# Altium PCB ControlBoardV1old.PcbDoc
Units mil, origin at the board's own origin, x right, y up, seen from the top; angles counter-clockwise.
Board outline 3937.01 x 1929.14 mil, 2 copper layers (Top Layer, Bottom Layer); 55 components, 45 nets, 232 pads, 46 vias.
Unrouted connection lines stored in the file: 1.
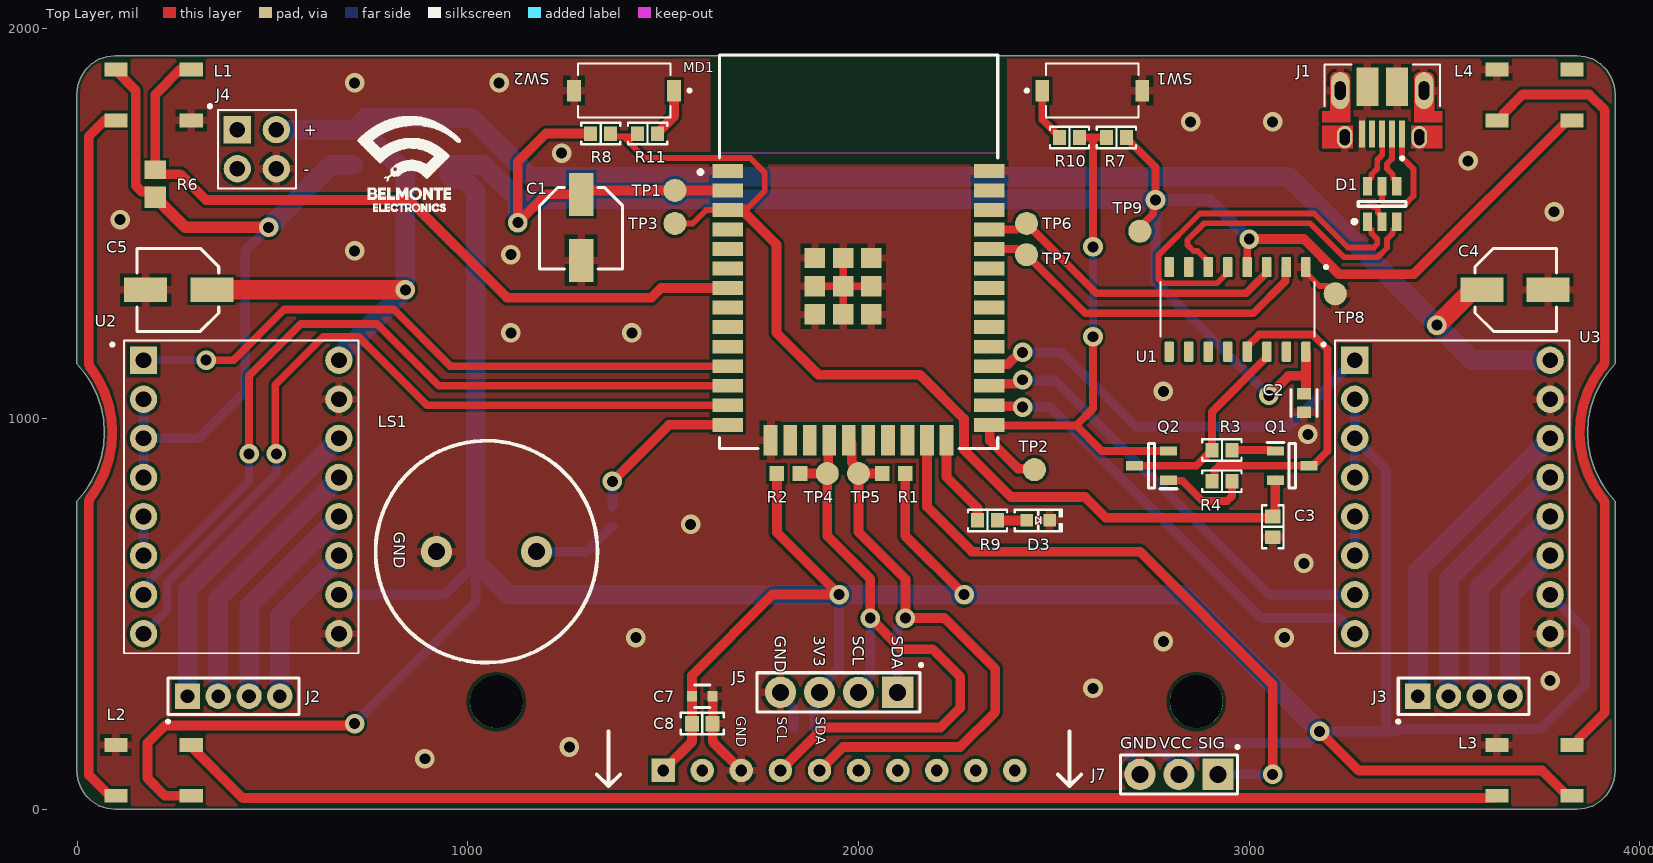
[diagram p0: Top Layer view]
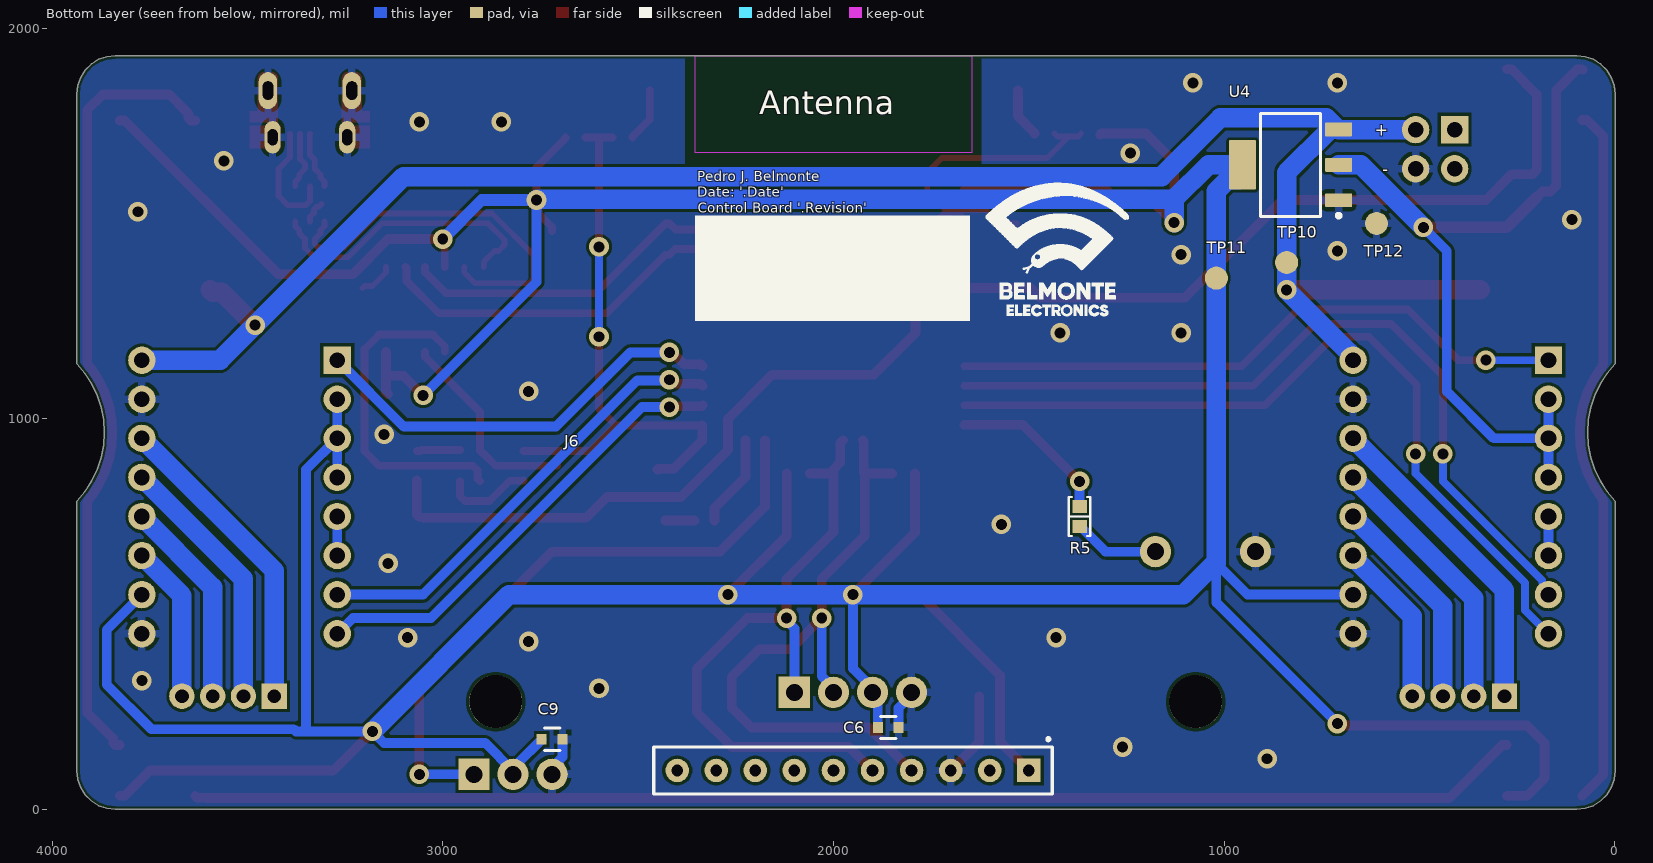
[diagram p1: Bottom Layer view, seen from below]

## Layer stack, top to bottom
Top Solder: solder mask 0.4, Solder Resist, Dk 3.5
Top Layer: signal copper 1.4
Dielectric 1: dielectric 12.6, FR-4, Dk 4.8
Bottom Layer: signal copper 1.4
Bottom Solder: solder mask 0.4, Solder Resist, Dk 3.5

## Board outline
-0.65,1831.17 -0.65,1140.44 20.09,1115.74 37.53,1088.62 51.4,1059.5 61.47,1028.87 67.57,997.21 69.62,965.02 67.57,932.84 61.47,901.18 51.4,870.54 37.53,841.43 20.09,814.31 -0.65,789.61 -0.64,98.88 1.82,76.98 9.1,56.18 20.83,37.52 36.41,21.93 55.08,10.2 75.88,2.92 97.78,0.46 3837.94,0.46 3859.84,2.93 3880.64,10.21 3899.3,21.93 3914.89,37.52 3926.62,56.18 3933.9,76.98 3936.36,98.88 3936.36,789.62 3915.63,814.31 3898.18,841.43 3884.32,870.55 3874.25,901.18 3868.15,932.84 3866.1,965.03 3868.15,997.21 3874.25,1028.87 3884.32,1059.51 3898.18,1088.62 3915.63,1115.74 3936.36,1140.44 3936.36,1831.17 3933.89,1853.07 3926.61,1873.87 3914.89,1892.53 3899.3,1908.12 3880.64,1919.85 3859.84,1927.12 3837.94,1929.59 97.78,1929.59 75.88,1927.12 55.07,1919.84 36.41,1908.12 20.83,1892.53 9.1,1873.87 1.82,1853.07

## Design rules (kind name [scope] priority, off if disabled: settings)
BoardOutlineClearance [All] p1: gap=7.87 ignorepadtopadclearanceinfootprint=FALSE except(15.75: Arc-SplitBarrior Arc-SplitContinuation Track-SplitBarrior Track-SplitContinuation SMDPad-SplitBarrior SMDPad-SplitContinuation THPad-SplitBarrior THPad-SplitContinuation Via-SplitBarrior Via-SplitContinuation Fill-SplitBarrior Fill-SplitContinuation Poly-SplitBarrior Poly-SplitContinuation Region-SplitBarrior Region-SplitContinuation Text-SplitBarrior Text-SplitContinuation)
Clearance "Clearance Bottom Layer" [OnLayer('Bottom Layer')] p1: gap=8 ignorepadtopadclearanceinfootprint=TRUE except(10: Arc-Text Track-Text SMDPad-Text THPad-Text Via-Text Fill-Text Poly-Text Region-Text Text-Text)
Clearance "Clearance Top Layer" [OnLayer('Top Layer')] p2: gap=8 ignorepadtopadclearanceinfootprint=TRUE except(10: Arc-Text Track-Text SMDPad-Text THPad-Text Via-Text Fill-Text Poly-Text Region-Text Text-Text)
Clearance [All] p3: gap=7.87 ignorepadtopadclearanceinfootprint=FALSE except(3.5: Arc-Arc Arc-Track Arc-SMDPad Track-Track Track-SMDPad SMDPad-SMDPad; 5: Arc-Via Track-Via SMDPad-Via THPad-Via Via-Via; 10: Arc-Text Track-Text SMDPad-Text THPad-Text Via-Text Fill-Text Poly-Text Region-Text Text-Text)
DiffPairsRouting [All] p1: maxlimit=10 minlimit=10 mostfreqgap=10 toplayer_minwidth=15 toplayer_maxwidth=15 toplayer_prefwidth=15 bottomlayer_minwidth=15 bottomlayer_maxwidth=15 bottomlayer_prefwidth=15 maxuncoupledlength=500
HoleSize [All] p1: absolutevalues=TRUE maxlimit=248.03 minlimit=7.87 maxpercent=80.000 minpercent=20.000
MinimumAnnularRing [All] p1: minimumring=3
MinimumSolderMaskSliver [All] p1: minsoldermaskwidth=3.94
PolygonConnect PolygonConnect_1 [All] p1: thpad.connectstyle=Relief thpad.reliefconductorwidth=20 thpad.reliefentries=4 thpad.polygonreliefangle="90 Angle" thpad.airgapwidth=10 smdpad.connectstyle=Relief smdpad.reliefconductorwidth=20 smdpad.reliefentries=4 smdpad.polygonreliefangle="90 Angle" smdpad.airgapwidth=10 via.connectstyle=Direct via.reliefconductorwidth=20 via.reliefentries=4 via.polygonreliefangle="90 Angle" via.airgapwidth=10
RoutingCorners [All] p1: cornerstyle=Round minsetback=100 maxsetback=100
RoutingVias [All] p1: holewidth=19.68 width=39.37 viastyle="Through Hole" minholewidth=7.87 minwidth=17.72 maxholewidth=39.37 maxwidth=78.74
SilkToSilkClearance [All] p1: silktosilkclearance=3.94
SilkToSolderMaskClearance [IsPad] p1: minsilkscreentomaskgap=3.94 clearancetoexposedcopper=TRUE
SolderMaskExpansion [All] p1: expansion=4 istentingtop=FALSE
Width [All] p1: maxlimit=100 minlimit=3.5 preferedwidth=15
24 further rules are at their usual default settings.

## Classes and differential pairs
component class USBToTTL: C2 C3 D1 J1 Q1 Q2 R3 R4 TP8 TP9 U1
component class "Screen, IMU and IR": C6 C7 C8 C9 J5 J6 J7
component class Power: J4 TP10 TP11 TP12 U4
component class "Motor Drivers A4988": C4 C5 J2 J3 U2 U3
component class ESP32: C1 MD1 R1 R2 TP1 TP2 TP3 TP4 TP5 TP6 TP7
component class "Buttons, Buzzer & LEDs": D3 L1 L2 L3 L4 LS1 R5 R6 R7 R8 R9 R10 R11 SW1 SW2
differential pair DNP: +DNP_P -DNP_N
differential pair D: +D_P -D_N

## Components (designator, comment, footprint, x,y, rotation, side; value= is the part's Value field where it differs from the comment)
C1 "ALUM 100uF" "CAP ALSMD POLY 5.3MM H6.1MM" 1290,1490 r270 top value=100µF
C2 "0.1μF" FP-C0603C-CF-MFG 3140,1040 r90 top
C3 "1µF" "CAP 0603_1608" 3060,723.43 r270 top
C4 "ALUM 100uF" "CAP ALSMD POLY 5.3MM H6.1MM" 3680,1330 r0 top value=100µF
C5 "ALUM 100uF" "CAP ALSMD POLY 5.3MM H6.1MM" 260,1330 r180 top value=100µF
C6 "100nF" FP-GRM18-0_1-MFG 1860,210 r180 bottom value=0.1uF
C7 "100nF" FP-GRM18-0_1-MFG 1600,290 r0 top value=0.1uF
C8 "22uF" "CAP 0603_1608" 1600,220 r180 top value=22µF
C9 "100nF" FP-GRM18-0_1-MFG 2720,180 r180 bottom value=0.1uF
D1 "USBLC6-2SC6" STM-SOT23-6L_V 3340,1550 r90 top
D3 "Blue" "LED 0603_1608 BLUE" 2460,740 r0 top
J1 "USB Micro B 2.0" AMPHENOL_10103594-0001LF 3340,1840 r180 top
J2 "PIN HEADER 4x1" HDRV4W50P0X200_1X4_800X200X525P 282.52,290 r0 top
J3 "PIN HEADER 4x1" HDRV4W50P0X200_1X4_800X200X525P 3431.26,290 r0 top
J4 "PIN HEADER 2x1" M20-9950245 460,1690 r0 top
J5 "SSD1306_OLED_HDR" OLED_guarreta 2000,-50 r270 top locked
J6 "IMU_10DOF_HDR" IMU_GUARRETA 1500,100 r270 bottom locked
J7 "IRREMOTE_HDR" IRremote_guarreta 2820,90 r270 top
L1 "WS2812B" WS2812B 195.66,1828.77 r0 top
L2 "WS2812B" WS2812B 195.66,100 r180 top
L3 "WS2812B" WS2812B 3730,100 r180 top
L4 "WS2812B" WS2812B 3730,1828.77 r180 top
LS1 "KXG1205" BUZZER 920,660 r270 top
MD1 "ESP32-WROOM-32D" FP-ESP32-WROOM-32D-MFG 2000,1427.5 r0 top
Q1 "S8050" SOT95P240X115-3N 3110,880 r0 top
Q2 "S8050" SOT95P240X115-3N 2750,880 r180 top
R1 "4k7" RESC1608X55X30NL15T15 2090,860 r180 top
R2 "4k7" RESC1608X55X30NL15T15 1820.47,860 r0 top
R3 "12k" "RES 0603_1608" 2930,920 r0 top value="12 kOhms"
R4 "12k" "RES 0603_1608" 2930,840 r0 top value="12 kOhms"
R5 "1k" "RES 0603_1608" 1370,750 r90 bottom
R6 "" 0805 200,1600 r90 top value=10k
R7 "12k" "RES 0603_1608" 2660,1720 r180 top value="12 kOhms"
R8 "12k" "RES 0603_1608" 1340,1730 r0 top value="12 kOhms"
R9 "470" "RES 0603_1608" 2330,740 r0 top value="470 Ohms"
R10 "470" "RES 0603_1608" 2540,1720 r180 top value="470 Ohms"
R11 "470" "RES 0603_1608" 1460,1730 r0 top value="470 Ohms"
SW1 "FSMSMTR" TECO-FSMSMTR_V 2597.95,1840 r0 top
SW2 "FSMSMTR" TECO-FSMSMTR_V 1400,1840 r180 top
TP1 "Test point" TestPoint 1530,1584.59 r90 top
TP2 "Test point" TestPoint 2450,870 r90 top
TP3 "Test point" TestPoint 1530,1500 r90 top
TP4 "Test point" TestPoint 1920,860 r90 top
TP5 "Test point" TestPoint 2000,860 r90 top
TP6 "Test point" TestPoint 2430,1500 r90 top
TP7 "Test point" TestPoint 2430,1420 r90 top
TP8 "Test point" TestPoint 3220,1320 r90 top
TP9 "Test point" TestPoint 2720,1480 r90 top
TP10 "Test point" TestPoint 840,1400 r90 bottom
TP11 "Test point" TestPoint 1020,1360 r90 bottom
TP12 "Test point" TestPoint 610,1500 r90 bottom
U1 "CH340C" SOIC127P600X180-16N 2970,1280 r270 top
U2 "A4988" A4988 420,800 r0 top
U3 "A4988" A4988 3520,800 r0 top
U4 "LM1117IMP-3.3/NOPB" DCY0004A_N 830,1650 r0 bottom

## Footprints (in the part's own frame and the unit in brackets; to place one, negate y for a bottom-side part, rotate by r counter-clockwise, add the part's x,y. Pads: shape width x height; smd on the part's side, far side on the other; paste and mask are expansions set on the pad)
0805 [mil]
  rect 55x55.12 smd: 1(-33,0)
  rect 47.24x55.12 smd: 2(37,0)
  body extent -39,-25 39,25, height 31
A4988 [mil] "Pololu A4988 Stepper Driver Carrier Footprint"
  rect 70x70 hole 40.16: 1(-250,350)
  round 70 hole 40.16: 2(-250,250) 3(-250,150) 4(-250,50) 5(-250,-50) 6(-250,-150) 7(-250,-250) 8(-250,-350) 9(250,-350) 10(250,-250) 11(250,-150) 12(250,-50) 13(250,50) 14(250,150) 15(250,250) 16(250,350)
  silkscreen extent -334,-400 300,400, body extent -300,-410 300,410, height 740
AMPHENOL_10103594-0001LF [mm]
  rect 0.4x1.75 smd: 1(-1.3,2.825) 2(-0.65,2.825) 3(0,2.825) 4(0.65,2.825) 5(1.3,2.825)
  oval 1.016x1.46 hole 0.65 slot 1.05 at 90 deg mask+0: 6(-2.425,3.03) 7(2.425,3.03)
  oval 1.2x2.4 hole 0.7 slot 1.2 at 90 deg: 8(-2.725,0) 9(2.725,0)
  oval 1.05x2.1 smd far side paste-2: 10(-2.425,3.03) 11(2.425,3.03)
  rect 1.425x2.5 smd: S1(-0.963,-0.25) S2(0.963,-0.25)
  Top Layer region: 3.9,1.35 3.375,1.35 3.375,-0.8 3.374,-0.821 3.373,-0.842 3.37,-0.863 3.366,-0.883 3.361,-0.904 3.355,-0.924 3.348,-0.943 3.34,-0.963 3.331,-0.982 3.321,-1 3.31,-1.018 3.299,-1.035 3.286,-1.052 3.272,-1.068 3.258,-1.083 3.243,-1.097 3.227,-1.111 3.21,-1.124 3.193,-1.135 3.175,-1.146 3.157,-1.156 3.138,-1.165 3.118,-1.173 3.099,-1.18 3.079,-1.186 3.058,-1.191 3.038,-1.195 3.017,-1.198 2.996,-1.199 2.975,-1.2 2.475,-1.2 2.454,-1.199 2.433,-1.198 2.412,-1.195 2.392,-1.191 2.371,-1.186 2.351,-1.18 2.332,-1.173 2.312,-1.165 2.293,-1.156 2.275,-1.146 2.257,-1.135 2.24,-1.124 2.223,-1.111 2.207,-1.097 2.192,-1.083 2.178,-1.068 2.164,-1.052 2.151,-1.035 2.14,-1.018 2.129,-1 2.119,-0.982 2.11,-0.963 2.102,-0.943 2.095,-0.924 2.089,-0.904 2.084,-0.883 2.08,-0.863 2.077,-0.842 2.076,-0.821 2.075,-0.8 2.075,2.05 3.9,2.05
  Top Layer region: -2.075,-0.8 -2.076,-0.821 -2.077,-0.842 -2.08,-0.863 -2.084,-0.883 -2.089,-0.904 -2.095,-0.924 -2.102,-0.943 -2.11,-0.963 -2.119,-0.982 -2.129,-1 -2.14,-1.018 -2.151,-1.035 -2.164,-1.052 -2.178,-1.068 -2.192,-1.083 -2.207,-1.097 -2.223,-1.111 -2.24,-1.124 -2.257,-1.135 -2.275,-1.146 -2.293,-1.156 -2.312,-1.165 -2.332,-1.173 -2.351,-1.18 -2.371,-1.186 -2.392,-1.191 -2.412,-1.195 -2.433,-1.198 -2.454,-1.199 -2.475,-1.2 -2.975,-1.2 -2.996,-1.199 -3.017,-1.198 -3.038,-1.195 -3.058,-1.191 -3.079,-1.186 -3.099,-1.18 -3.118,-1.173 -3.138,-1.165 -3.157,-1.156 -3.175,-1.146 -3.193,-1.135 -3.21,-1.124 -3.227,-1.111 -3.243,-1.097 -3.258,-1.083 -3.272,-1.068 -3.286,-1.052 -3.299,-1.035 -3.31,-1.018 -3.321,-1 -3.331,-0.982 -3.34,-0.963 -3.348,-0.943 -3.355,-0.924 -3.361,-0.904 -3.366,-0.883 -3.37,-0.863 -3.373,-0.842 -3.374,-0.821 -3.375,-0.8 -3.375,1.35 -3.9,1.35 -3.9,2.05 -2.075,2.05
  Top Layer region: 3.9,2.3 1.9,2.3 1.9,3.76 3.9,3.76
  Top Layer region: -1.9,2.3 -3.9,2.3 -3.9,3.76 -1.9,3.76
  silkscreen extent -3.75,-1.7 3.75,4.5, body extent -4.02,-2.79 4.02,3.24, height 3.13
BUZZER [mil]
  round 80 hole 43.31: 1(0,255.91) 2(0,0)
  round 0 hole 43.31: 2(0,0)
  silkscreen extent -284,-156 284,412, body extent -236,-108 236,500, height 380
"CAP 0603_1608" [mm] "Chip Capacitor, 2-Leads, Body 1.60x0.80mm, IPC Medium Density"
  rect 0.9x1 smd: 1(-0.675,0) 2(0.675,0)
  silkscreen extent -1.4,-0.7 1.4,0.7, body extent -0.8,-0.41 0.8,0.41, height 0.82
"CAP ALSMD POLY 5.3MM H6.1MM" [mm] "Aluminum Polymer Capacitor, Body 5.30x5.30x6.1mm, IPC Medium Density"
  rect 2.8x1.6 smd: 1(-2.15,0) 2(2.15,0)
  silkscreen extent -2.6,-2.7 2.7,2.7, body extent -2.95,-2.7 2.95,2.7, height 6.1
DCY0004A_N [mm] "SOT223, 4-Leads, Body 6.7x3.7mm, Pitch 2.3mm, IPC Medium Density"
  rrect11% 1.75x0.9 smd: 1(-3.125,2.3) 2(-3.125,0) 3(-3.125,-2.3)
  rrect6% 1.75x3.2 smd: 4(3.125,0)
  silkscreen extent -3.25,-3.35 1.95,3.42, body extent -3.5,-3.25 3.5,3.25, height 1.62
FP-C0603C-CF-MFG [mm]
  rect 0.75x0.9 smd paste+0 mask+0: 1(-0.6,0) 2(0.6,0)
  silkscreen extent -0.87,-0.85 0.88,0.85, body extent -1.2,-0.6 1.2,0.6, height 0.25
FP-ESP32-WROOM-32D-MFG [mm]
  rect 2x0.9 smd paste+0 mask+0: 1(-8.5,5.26) 2(-8.5,3.99) 3(-8.5,2.72) 4(-8.5,1.45) 5(-8.5,0.18) 6(-8.5,-1.09) 7(-8.5,-2.36) 8(-8.5,-3.63) 9(-8.5,-4.9) 10(-8.5,-6.17) 11(-8.5,-7.44) 12(-8.5,-8.71) 13(-8.5,-9.98) 14(-8.5,-11.25) 25(8.5,-11.25) 26(8.5,-9.98) 27(8.5,-8.71) 28(8.5,-7.44) 29(8.5,-6.17) 30(8.5,-4.9) 31(8.5,-3.63) 32(8.5,-2.36) 33(8.5,-1.09) 34(8.5,0.18) 35(8.5,1.45) 36(8.5,2.72) 37(8.5,3.99) 38(8.5,5.26)
  rect 0.9x2 smd paste+0 mask+0: 15(-5.715,-12.25) 16(-4.445,-12.25) 17(-3.175,-12.25) 18(-1.905,-12.25) 19(-0.635,-12.25) 20(0.635,-12.25) 21(1.905,-12.25) 22(3.175,-12.25) 23(4.445,-12.25) 24(5.715,-12.25)
  rect 1.33x1.33 smd paste+0 mask+0: 39(-2.835,-4.075) 39(-2.835,-2.24) 39(-2.835,-0.405) 39(-1,-4.075) 39(-1,-2.24) 39(-1,-0.405) 39(0.835,-4.075) 39(0.835,-2.24) 39(0.835,-0.405)
  Keep-Out Layer region: -9,6.45 9,6.45 9,12.75 -9,12.75
  Keep-Out Layer region: -9,6.45 9,6.45 9,12.75 -9,12.75
  silkscreen extent -10.4,-12.8 9.05,12.8, body extent -9.6,-13.35 9.6,12.9, height 0.25
FP-GRM18-0_1-MFG [mm]
  rect 0.65x0.7 smd paste+0 mask+0: 1(-0.675,0) 2(0.675,0)
  silkscreen extent -0.5,-0.73 0.5,0.73, body extent -0.8,-0.4 0.8,0.4, height 0.9
HDRV4W50P0X200_1X4_800X200X525P [mil]
  rect 65x65 hole 35.43: 1(0,0)
  round 65 hole 35.43: 2(78.74,0) 3(157.48,0) 4(236.22,0)
  silkscreen extent -54,-69 285,47, body extent -37,-39 277,40, height 198
IMU_GUARRETA [mil]
  rect 60x60 hole 30: 1(0,0)
  round 60 hole 30: 2(0,-100) 3(0,-200) 4(0,-300) 5(0,-400) 6(0,-500) 7(0,-600) 8(0,-700) 9(0,-800) 10(0,-900)
  silkscreen extent -84,-960 60,60, body extent -799,-1199 101,301, height 218
IRremote_guarreta [mil]
  rect 80x80 hole 43.31: 1(0,100)
  round 80 hole 43.31: 2(0,0) 3(0,-100)
  silkscreen extent -74,-150 50,154, body extent -659,-301 89,305, height 886
"LED 0603_1608 BLUE" [mm] "Chip Diode, 2-Leads, Body 1.60x0.80mm, IPC Medium Density"
  rect 0.8x0.8 smd: 1(-0.75,0) 2(0.75,0)
  silkscreen extent -1.52,-0.7 1.52,0.7, body extent -0.8,-0.4 0.8,0.4, height 0.53
M20-9950245 [mil] "M20-9950245 Pin Connector"
  rect 70x70 hole 40: 1(-50,50)
  round 70 hole 40: 2(-50,-50) 3(50,50) 4(50,-50)
  silkscreen extent -124,-100 100,114, body extent -100,-62 100,548, height 202
OLED_guarreta [mil]
  rect 80x80 hole 43.31: 1(-350,100)
  round 80 hole 43.31: 2(-350,0) 3(-350,-100) 4(-350,-200)
  silkscreen extent -424,-260 -300,164, body extent -363,-542 232,442, height 201
"RES 0603_1608" [mm] "Chip Resistor, 2-Leads, Body 1.60x0.80mm, IPC Medium Density"
  rect 0.85x0.95 smd: 1(-0.65,0) 2(0.65,0)
  silkscreen extent -1.27,-0.7 1.27,0.7, body extent -0.8,-0.4 0.8,0.4, height 0.45
RESC1608X55X30NL15T15 [mm] "Chip Resistor, 2-Leads, Body 1.75x0.95mm, IPC Medium Density"
  rect 0.95x0.95 smd: 1(-0.75,0) 2(0.75,0)
  body extent -0.87,-0.48 0.87,0.48, height 0.55
SOIC127P600X180-16N [mm]
  rrect25% 1.31x0.62 smd: 1(-2.75,4.445) 2(-2.75,3.175) 3(-2.75,1.905) 4(-2.75,0.635) 5(-2.75,-0.635) 6(-2.75,-1.905) 7(-2.75,-3.175) 8(-2.75,-4.445) 9(2.75,-4.445) 10(2.75,-3.175) 11(2.75,-1.905) 12(2.75,-0.635) 13(2.75,0.635) 14(2.75,1.905) 15(2.75,3.175) 16(2.75,4.445)
  silkscreen extent -2.85,-5 1.78,5.85, body extent -3,-5 3,5, height 1.8
SOT95P240X115-3N [mm]
  rect 1.1x0.6 smd: 1(-1.1,0.95) 2(-1.1,-0.95) 3(1.1,0)
  silkscreen extent -1.65,-1.45 0.2,1.5, body extent -1.2,-1.45 1.2,1.45, height 1.15
STM-SOT23-6L_V [mm] "SOT23, 6-Leads, Body 3.05x1.75mm, Pitch 0.95mm"
  rect 1.2x0.6 smd: 1(-1.15,0.95) 2(-1.15,0) 3(-1.15,-0.95) 4(1.15,-0.95) 5(1.15,0) 6(1.15,0.95)
  silkscreen extent -1.27,-1.55 0.15,1.92, body extent -1.6,-1.53 1.6,1.53, height 1.45
TECO-FSMSMTR_V [mm] "SMD, 2-Leads, Body 6x3.5mm, Pitch 9.19mm"
  rect 0.9x1.4 smd: 1(-3.25,0) 2(3.25,0)
  silkscreen extent -4.35,-1.75 3,1.75, body extent -3,-1.75 3,1.75, height 2.5
TestPoint [mm] "Test Point"
  round 1.5 smd: 1(0,0)
WS2812B [mm]
  rect 1.5x0.9 smd: 1(-2.45,1.65) 2(-2.45,-1.65) 3(2.45,-1.65) 4(2.45,1.65)
  body extent -2.64,-2.52 2.76,2.48, height 1.7

## Part data
C1 C4 C5: library part MAL218497352E3, "CAP ALUM 100UF 4V 2000H", Capacitance=100µF, Device Package="Radial, Can - SMD", ESR (Equivalent Series Resistance)=25mOhm, Lifetime @ Temp.="2000 Hrs @ 105°C", Manufacturer="Vishay Beyschlag/Draloric/BC Components", Ripple Current @ High Frequency="2.31A @ 100kHz", Ripple Current @ Low Frequency="115.5mA @ 120Hz", Supplier Part Number 1=56-MAL218497352E3-ND, Tolerance=±20%, Applications="General Purpose", ComponentLink2Description="DigiKey Link", ComponentLink2URL=http://digikey.com/product-detail/en/vishay-beyschlag-draloric-bc-components/MAL218497352E3/56-MAL218497352E3-ND/12814066, Height - Seated (Max)="0.240\" (6.10mm)", LastUpdated="08/30/2020 21:02:23", Lifecycle Status=Active, Minimum Order=5000, Mounting Type="Surface Mount", Packaging=Box, Part Number=MAL218497352E3, PartId=2781, Price=0.27, Series="184 CPNS", Size / Dimension="0.197\" Dia (5.00mm)", Supplier 1=DigiKey, Surface Mount Land Size="0.209\" L x 0.209\" W (5.30mm x 5.30mm)", Type=Polymer
C2: library part CMP-2006-03061-2, "CAP CER 0.1UF 50V X7R 0603", Capacitance="0.10 μF", Manufacturer=KEMET, Manufacturer Part Number=C0603C104K5RACTU, Package=0603, Temperature="-55°C to +125°C", Temperature Characteristic=X7R, Temperature Coefficient=30ppm/°C, Temperature Range High=+125°C, Temperature Range Low=-55°C, Tolerance=0.1, Voltage Rating="50 V", Automotive=Yes, Automotive Grade="Grade 1", Category=Cap, ComponentLink2Description=Datasheet, ComponentLink2URL=https://api.kemet.com/component-edge/download/datasheet/C0603C100J5GACAUTO.pdf, Device Class L1="Passive Components", Device Class L2=Capacitors, Device Class L3="Ceramic Capacitors", Digikey Description="CAP CER 0.1UF 50V X7R 0603", Height=0.87mm, Lead Free=Yes, Material=Ceramic, Octopart=https://octopart.com/c0603c104k5ractu-kemet-139244, RoHS=TRUE
C3: library part C0603C105K4RACAUTO, "CAP CER 0603 1UF 16V X7R 10%", Device Package="0603 (1608 Metric)", Manufacturer=KEMET, Operating Temperature="-55°C ~ 125°C", Ratings=AEC-Q200, Supplier Part Number 1=399-17704-1-ND, Temperature Coefficient=X7R, Tolerance=±10%, Voltage - Rated=16V, Applications="Automotive, Bypass, Decoupling", Capacitance=1µF, ComponentLink1Description=Datasheet, ComponentLink1URL=https://api.kemet.com/component-edge/download/datasheet/C0603C105K4RACAUTO.pdf, ComponentLink2Description="DigiKey Link", ComponentLink2URL=http://digikey.com/product-detail/en/kemet/C0603C105K4RACAUTO/399-17704-1-ND/8635855, LastUpdated="09/02/2020 01:03:36", Lifecycle Status=Active, Minimum Order=1, Mounting Type="Surface Mount, MLCC", Package / Case="0603 (1608 Metric)", Packaging=TapeAndReel, Part Number=C0603C105K4RACAUTO, Part Status=Active, PartId=2179, Price=0.02, Series="SMD Auto X7R", Size=0603, Size / Dimension="0.063\" L x 0.031\" W (1.60mm x 0.80mm)", Supplier 1=DigiKey, Thickness (Max)="0.037\" (0.95mm)"
C6 C7 C9: library part CMP-2006-02826-2, "CAP CER 0.1UF 6.3V X7R 0603", Capacitance=0.1uF, Manufacturer=Murata, Manufacturer Part Number=GRM188R70J104KA01D, Package=GRM18-0.1, Temperature="-55°C to +125°C", Temperature Characteristic=X7R, Temperature Coefficient=15%, Temperature Range High=+125°C, Temperature Range Low=-55°C, Tolerance=10%, Voltage=6.3V, Automotive=No, Category=Cap, ComponentLink2Description=Datasheet, ComponentLink2URL=http://search.murata.co.jp/Ceramy/image/img/A01X/G101/ENG/GRM188R70J104KA01-01.pdf, Device Class L1="Passive Components", Device Class L2=Capacitors, Device Class L3="Ceramic Capacitors", Digikey Description="CAP CER 0.1UF 6.3V X7R 0603", Height=0.9mm, Ipc Land Pattern Name=CAPC16080X80, Lead Free=Yes, Material=Ceramic, Mouser Description="Multilayer Ceramic Capacitors MLCC - SMD/SMT 0.1uF 6.3Volts X7R 10%", Octopart=https://octopart.com/grm188r70j104ka01d-murata-17826949, RoHS=TRUE, Size=0603, Symbol 0 0=Capacitor, Voltage Rating=6.3V
C8: library part C1608X5R0G226M080AA, "CAP CER 22UF 4V X5R 0603", Capacitance=22µF, Device Package="0603 (1608 Metric)", Manufacturer="TDK Corporation", Operating Temperature="-55°C ~ 85°C", Supplier Part Number 1=445-8030-1-ND, Temperature Coefficient=X5R, Tolerance=±20%, Voltage - Rated=4V, Applications="General Purpose", ComponentLink1Description=Datasheet, ComponentLink1URL=https://product.tdk.com/info/en/catalog/datasheets/mlcc_commercial_general_en.pdf?ref_disty=digikey, ComponentLink2Description="DigiKey Link", ComponentLink2URL=http://digikey.com/product-detail/en/tdk-corporation/C1608X5R0G226M080AA/445-8030-1-ND/2792156, LastUpdated="09/02/2020 01:03:35", Lifecycle Status=Active, Minimum Order=1, Mounting Type="Surface Mount, MLCC", Package / Case="0603 (1608 Metric)", Packaging=TapeAndReel, Part Number=C1608X5R0G226M080AA, Part Status=Active, PartId=2599, Price=0.09, Series=C, Size=0603, Size / Dimension="0.063\" L x 0.031\" W (1.60mm x 0.80mm)", Supplier 1=DigiKey, Thickness (Max)="0.039\" (1.00mm)"
D1: library part CMP-2000-05378-1, "Very low capacitance ESD protection, 3.5 pF, -40 to 125 degC, 6-Pin SOT23, RoHS, Tape and Reel", Capacitance Value=3.5pF, Clamping Voltage=17V, Leakage Current=0.15uA, Manufacturer=STMicroelectronics, Operating Temp Range=-40Cto125C, Operating Temperature Classification=Automotive, Operating Temperature Max Deg. C=125C, Operating Temperature Min Deg. C=-40C, Package / Case=SOT-23, Package Description="6-Pin Small Outline Transistor, Body 2.925 x 1.625 mm, Pitch 0.95 mm", Package Reference=SOT23-6L, Peak Pulse Current=5A, Reverse Breakdown Voltage=6V, Reverse Stand-off Voltage=5V, Test Current (It)=1mA, Clamping Voltage (Max)=17V, Configuration=Dual, Datasheet URL=http://www.st.com/st-web-ui/static/active/en/resource/technical/document/datasheet/CD00050750.pdf, Datasheet Version="Rev. 5, 10/2011", Direction Type=Uni-Directional, Leakage Current (Max)=0.15uA, Manufacturer Part Number=USBLC6-2SC6, Manufacturer URL=http://www.st.com/, Mounting=SurfaceMount, Mounting Style=SurfaceMount, Number of Elements=1, Packaging=TapeandReel, Pin Count=6, Polarity=Uni-Directional, Product Depth (mm)=1.75mm, Product Height (mm)=1.3mm, Product Length (mm)=3.05mm, Rad Hardened=No, Suppressor Type=DiodeArrays, Working Voltage=5V, Working Voltage (Max)=5V